# Allegro board P2597_B04_Allegro_layout.brd (continued)
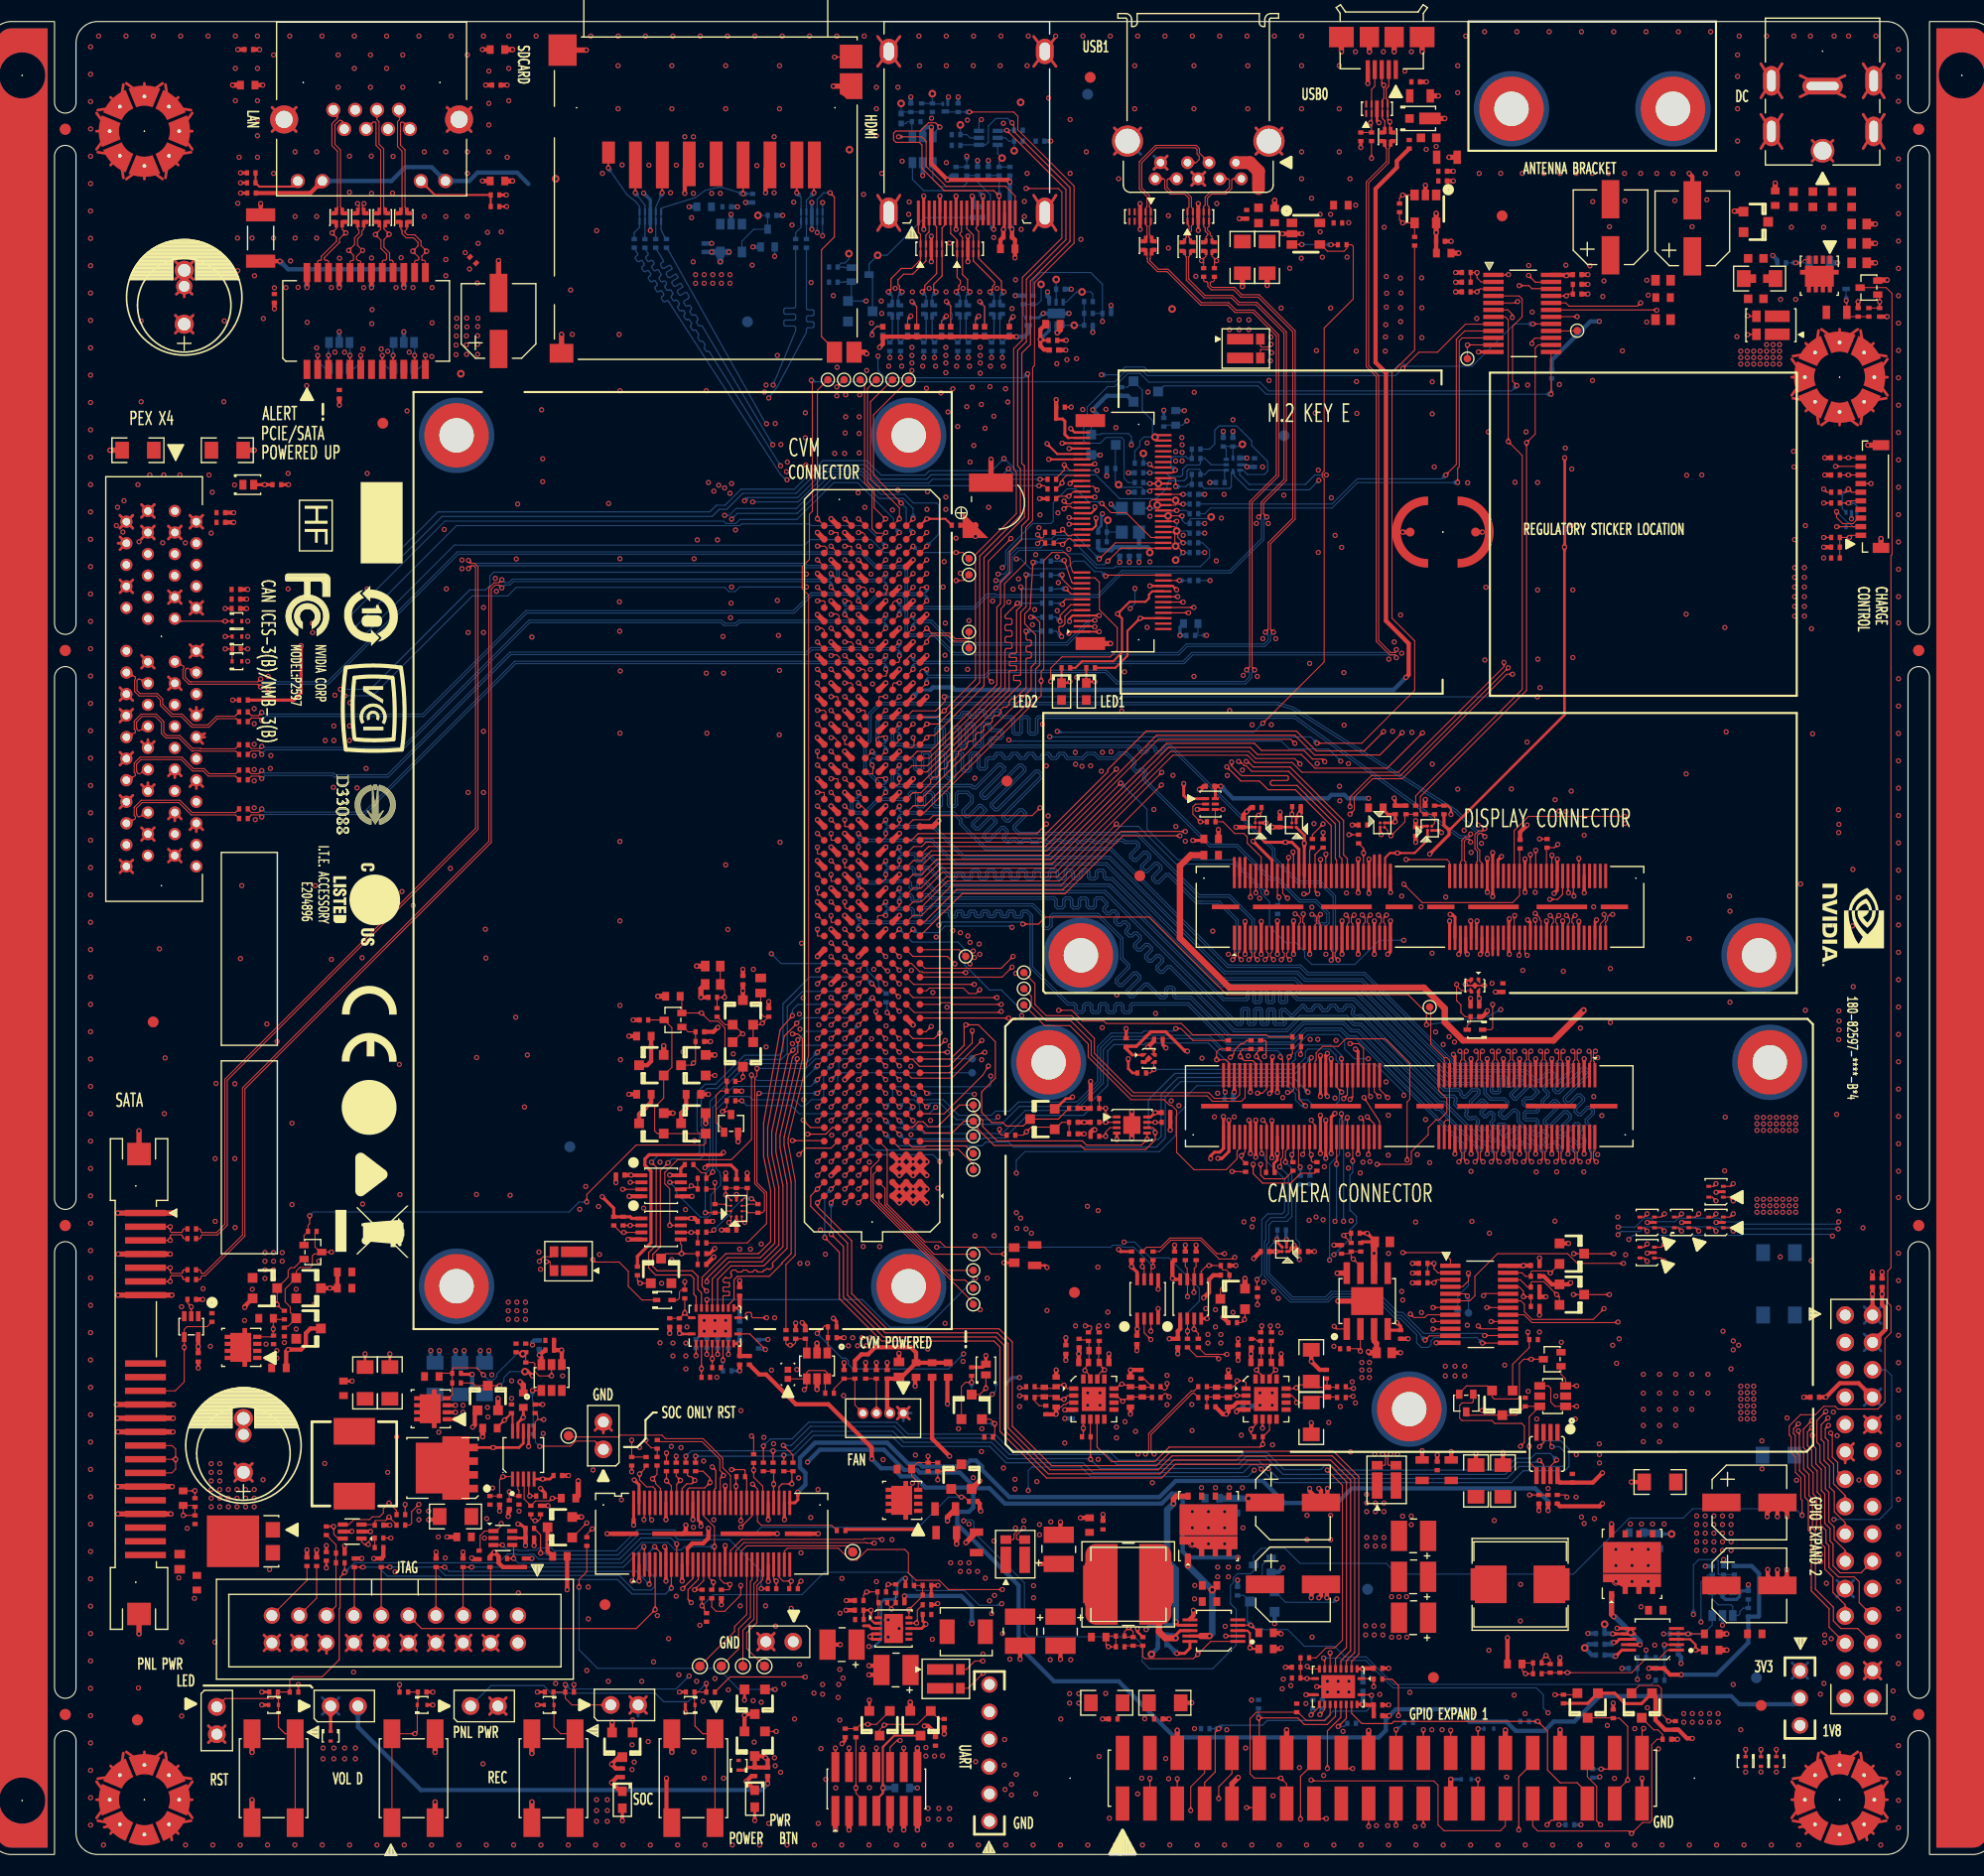
[diagram p0: board, top side]
## Routing (per net, layer and track width the routed paths; a pad name or vN(x,y) marks a point on that pad's centre or on a via; arc(x,y) is an arc through that point) (continued)
  BOTTOM w0.1: v2(49.7,44.83) 48.3,44.83 47.75,44.28 47.75,43.92 v1(47.35,43.52)
VDD_M2_IN_N: length 127.7
  TOP w0.101: R139.2 96.1,43.28 95.7,43.28 v1(95.65,43.33) ; v1(119.07,139.43) 118.77,139.73 118.1,139.73 118.02,139.65 R193.3
  L3 w0.101: v1(95.65,43.33) 95.65,43.28 95.85,43.08 95.98,43.08 96.17,43.27 96.17,55.86 94.64,57.39 94.64,65.62 95.2,66.17 95.2,69.85 94.65,70.4 94.65,76.83 95.2,77.38 95.2,77.87 94.89,78.18 94.89,81.01 94.15,81.75 94.15,100.75 96.05,102.65 96.05,104.56 95.27,105.34 95.27,115.3 96.81,116.84 96.81,118.83 95.96,119.67 95.96,120.3 95.96,120.3 95.96,120.4 95.63,120.74 94.43,120.74 93.49,121.68 93.49,132.58 99.03,138.12 99.03,138.33 v1(99.11,138.42)
  L4 w0.101: v1(99.11,138.42) 99.2,138.51 99.55,138.51 99.72,138.33 99.72,138.11 99.94,137.89 116.47,137.89 118.36,139.78 118.72,139.78 v1(119.07,139.43)
VDD_M2_IN_P: length 127.8
  TOP w0.101: R140.2 96.1,42.58 v1(95.65,42.58) ; v1(119.02,140.22) 118.75,139.96 118.14,139.96 118.02,140.08 R193.2
  L3 w0.101: v1(95.65,42.58) 95.75,42.68 95.93,42.68 96.42,43.16 96.42,55.97 94.9,57.49 94.9,65.51 95.45,66.07 95.45,69.96 94.9,70.5 94.9,76.72 95.45,77.27 95.45,77.97 95.15,78.28 95.15,81.12 94.41,81.86 94.41,100.65 96.31,102.55 96.31,104.67 95.53,105.44 95.53,115.2 97.06,116.73 97.06,118.94 96.22,119.78 96.22,120.51 95.73,120.99 94.54,120.99 93.75,121.78 93.75,132.48 v1(100.05,138.78)
  L4 w0.101: v1(100.05,138.78) 99.98,138.71 99.98,138.22 100.06,138.14 116.36,138.14 118.25,140.03 118.83,140.03 v1(119.02,140.22)
VDD_M2_IO_FILT_N: length 4.1
  TOP w0.101: R139.1 97.05,43.33 97.1,43.28 97.85,43.28 C78.2 98.05,43.28 98.9,43.28 C83.1 99.2,43.58 v1(99.78,43.58) 100.11,43.25 U10.1
VDD_M2_IO_FILT_P: length 5.6
  TOP w0.101: R141.1 97.48,41.66 97.05,42.1 R140.1 97.2,42.58 97.85,42.58 C78.1 98.12,42.48 98.22,42.58 98.9,42.58 C84.1 99.22,42.25 v1(99.78,42.25) 100.13,42.6 100.68,42.6
VDD_MOD: length 28.1
  TOP w0.3: v1(92.52,46.32) CR5.2 92.22,45.23 R306.1
  TOP w0.5: v1(85.76,61.78) J13.A2 v1(87.03,61.78) J13.A1 ; v1(85.76,61.78) 85.12,61.14 ; v1(85.76,61.78) 85.12,62.41 v1(84.49,61.78) ; v1(85.76,61.78) J13.A1 ; 85.12,61.14 v1(84.49,61.78) ; 85.12,61.14 v1(84.49,60.51) J13.C1 v1(84.49,61.78) ; 85.12,61.14 v1(85.76,60.51) J13.A1 ; v1(84.49,61.78) J13.C2 ; J13.A1 v1(87.03,60.51)
  L3 w0.3: v1(92.52,46.32) 92.52,50.83 92.15,51.21 91.65,51.21 91.4,51.46 91.4,52.55 92.07,53.22 92.07,54.17 91.51,54.73 v1(91.51,57.43)
VDD_MUX: length 177.4
  TOP w0.4: D7.3 v1(69.95,80.18) R98.1 ; v1(67.62,76.8) 67.21,76.38 R77.1
  TOP w0.6: v1(148.05,78.38) 145.25,75.58 136.85,75.58 135.15,77.28 135.15,78.54 133.21,80.48 115.15,80.48 110.55,85.08 110.55,91.78 111.55,92.78 R184.1
  L3 w0.4: v1(69.95,80.18) 69.95,79.12 v1(67.62,76.8) 68.05,76.37 68.05,73.88 66.75,72.58 66.75,71.58 73.65,64.68 73.65,53.1 71.05,50.5 71.05,41.58 75.95,36.68 v1(75.95,36.43)
  L4 w0.6: v1(148.05,78.38) v1(168.65,78.38)
  BOTTOM w0.4: R506.2 157.1,18.33 v1(157.1,17.73) ; R522.2 v1(115.9,25.48) ; v1(75.95,36.43) 77.1,37.58 83.05,37.58 84.92,35.7 86.12,35.7 86.37,35.46 90.11,35.46 91.57,34 92.86,34 94.28,32.58 108.85,32.58 109.77,33.51 110.29,33.51 110.8,33 110.8,28.12 111.35,27.58 v1(115.95,27.58)
  vias: v1(111.7,28.84) v1(113.2,28.84) v1(114.05,26.68) v1(114.05,25.78) v1(114.7,28.84) v1(115.05,26.68) v1(115.05,25.78) v1(115.95,26.68) v1(151.05,25.34) v1(152.55,25.34) v1(154.05,25.34) v1(158.55,31.43) v1(158.55,30.63) v1(158.55,29.83) v1(158.55,29.03) v1(158.55,28.23) v1(159.35,31.43) v1(159.35,30.63) v1(159.35,29.83) v1(159.35,29.03) v1(159.35,28.23) v1(160.15,31.43) v1(160.15,30.63) v1(160.15,29.83) v1(160.15,29.03) v1(160.15,28.23) v1(160.95,31.43) v1(160.95,30.63) v1(160.95,29.83) v1(160.95,29.03) v1(160.95,28.23) v1(161.75,31.43) v1(161.75,30.63) v1(161.75,29.83) v1(161.75,29.03) v1(161.75,28.23) v1(162.65,139.58) v1(162.65,138.98) v1(162.65,138.38) v1(163.25,139.58) v1(163.25,138.98) v1(163.25,138.38) v1(163.85,139.58) v1(163.85,138.98) v1(163.85,138.38) v1(164.15,68.43) v1(164.15,67.83) v1(164.15,67.23) v1(164.15,60.83) v1(164.15,60.23) v1(164.15,59.63) v1(164.45,139.58) v1(164.45,138.98) v1(164.45,138.38) v1(164.75,68.43) v1(164.75,67.83) v1(164.75,67.23) v1(164.75,60.83) v1(164.75,60.23) v1(164.75,59.63) v1(165.05,140.18) v1(165.05,139.58) v1(165.05,138.98) v1(165.05,138.38) v1(165.35,68.43) v1(165.35,67.83) v1(165.35,67.23) v1(165.35,60.83) v1(165.35,60.23) v1(165.35,59.63) v1(165.65,140.18) v1(165.65,139.58) v1(165.65,138.98) v1(165.65,138.38) v1(165.95,68.43) v1(165.95,67.83) v1(165.95,67.23) v1(165.95,60.83) v1(165.95,60.23) v1(165.95,59.63) v1(166.25,140.18) v1(166.25,139.58) v1(166.25,138.98) v1(166.25,138.38) v1(166.55,68.43) v1(166.55,67.83) v1(166.55,67.23) v1(166.55,60.83) v1(166.55,60.23) v1(166.55,59.63) v1(167.15,68.43) v1(167.15,67.83) v1(167.15,67.23) v1(167.15,60.83) v1(167.15,60.23) v1(167.15,59.63) v1(167.75,68.43) v1(167.75,67.83) v1(167.75,67.23) v1(167.75,60.83) v1(167.75,60.23) v1(167.75,59.63)
VDD_MUX_CAP: length 4.3
  TOP w0.1: R90.1 68.29,77.04 D7.1 69.09,77.04 v1(69.95,76.18) 69.75,76.18 Q14.2
VDD_MUX_CAP_R: length 4.8
  TOP w0.1: C52.1 C53.1 67.85,80.68 68.25,80.28 v1(68.25,79.58) R88.1 R90.2
VDD_MUX_FILTER_M: length 5.4
  TOP w0.101: R214.1 125.1,42.48 C132.2 123.28,42.48 C130.1 v1(121.38,41.95) 121.38,42.17 120.94,42.6 120.42,42.6
VDD_MUX_FILTER_P: length 6.1
  TOP w0.101: C132.1 124.21,43.42 124.21,44.14 R211.1 ; C132.1 125.1,43.38 R213.1 ; C132.1 123.28,43.38 C129.2 122.44,43.6 121.63,43.6 v1(121.35,43.33) 121.28,43.25 U18.12
VDD_MUX_N: length 144.5
  TOP w0.101: R265.2 163.31,141.14 v1(163.28,141.11) ; v1(126.64,42.54) 126.06,42.54 R214.2
  L3 w0.101: v1(163.28,141.11) 163.84,141.67 165.49,141.67 166.8,140.36 166.8,138.2 166.78,138.18 166.55,137.95 166.55,135.23 166.6,135.18 169.05,132.73 169.05,120.75 170.15,119.65 170.15,100.2 169.05,99.1 169.05,56.73 168.27,55.95 168.27,50.62 167.35,49.71 163.47,49.71 163.47,49.71 163.16,49.71 161.7,48.25 161.7,48.07 161.55,47.92 161.55,47.55 161.56,47.54 161.56,47.52 161.95,47.13 v1(161.95,46.85)
  L4 w0.101: v1(126.64,42.54) 126.83,42.73 129.07,42.73 132.53,46.19 142.36,46.19 142.67,46.5 144.32,46.5 144.64,46.19 152.5,46.19 153.16,46.85 v1(161.95,46.85)
VDD_MUX_P: length 144.5
  TOP w0.101: v1(163.28,142.86) 163.31,142.82 R265.3 ; v1(126.67,43.27) 126.11,43.27 R213.2
  L3 w0.101: v1(163.28,142.86) 163.28,142.56 163.91,141.92 165.59,141.92 167.05,140.47 167.05,138.09 166.89,137.93 166.89,137.93 166.8,137.84 166.8,135.34 166.85,135.28 166.89,135.25 166.89,135.25 169.3,132.83 169.3,120.86 170.41,119.75 170.41,100.1 169.3,98.99 169.3,56.62 168.52,55.84 168.52,50.52 167.45,49.45 163.36,49.45 163.36,49.45 163.26,49.45 161.98,48.17 161.98,47.71 v1(161.95,47.68)
  L4 w0.101: v1(126.67,43.27) 126.96,42.98 128.97,42.98 132.43,46.44 142.25,46.44 142.57,46.75 144.43,46.75 144.74,46.44 152.4,46.44 153.06,47.1 161.37,47.1 v1(161.95,47.68)
VDD_OSC: length 7.4
  BOTTOM w0.4: R545.2 102.95,121.28 103.13,121.1 104.17,121.1 104.45,121.38 R542.1 R541.1 C514.1 ; v2(107.75,120.88) 107.75,121.18 107.55,121.38 C514.1 ; Y501.4 C514.1
VDD_SYS_BL: length 5.8
  TOP w0.28: J23.4 116.1,92.49 ; J23.2 115.6,92.49 ; J23.6 116.6,92.5
  TOP w0.4: 114.12,94.28 v1(114.12,95.16)
VDD_SYS_EN: length 46.2
  TOP w0.1: v1(114.75,70.78) 114.6,70.93 J22.119 ; U28.7 135.65,50.78 v1(134.05,50.78)
  L3 w0.1: v1(114.75,70.78) 116.18,69.34 116.18,65.81 115.58,65.2 115.58,64.55 115.85,64.28 115.85,60.04 115.73,59.92 115.73,55.92 116.15,55.51 116.15,54.47 115.49,53.81 v1(115.49,50.33)
  L4 w0.1: v1(134.05,50.78) 131.03,50.78 129.13,52.67 117.82,52.67 v1(115.49,50.33)
  BOTTOM w0.1: v1(114.75,70.78) 114.7,70.73 R523.1
VDD_TS_1V8: length 4.8
  TOP w0.25: U20.A1 122.1,94.62
  TOP w0.28: J23.28 122.1,93.88 v1(122.1,93.88) 122.1,94.62
VDD_VBUS: length 99.4
  TOP w0.4: R229.2 130.7,157.23 130.7,156.63 128.72,154.65 128.72,138.54 129.69,137.57 129.69,114.54 131.8,112.43 131.8,109.53 v1(131.55,109.28) ; 85.12,106.86 v1(85.76,107.5)
  BOTTOM w0.3: 87.38,108.13 86.39,108.13 v1(85.76,107.5)
  BOTTOM w0.4: v1(131.55,109.28) 130.4,108.13 89.65,108.13 89.42,108.36 87.61,108.36 87.38,108.13
VDD_VBUS_CONN:
  vias: v1(134.35,158.58)
VDD_VBUS_CONN_L:
  vias: v1(131.45,165.58)
VIN_PWR_BAD_C: length 4.6
  TOP w0.1: v1(172.45,144.28) 172.5,144.23 C176.2 172.5,142.93 172.65,142.78 R272.1 R273.1
  BOTTOM w0.1: D31.1 172.43,144.3 v1(172.45,144.28)
VIN_PWR_BAD_CQ: length 2.3
  TOP w0.1: R273.2 R274.1 v1(175.55,144.15) 175.55,144.66 Q31.1
VIN_PWR_BAD_L: length 287.4
  TOP w0.1: 85.12,70.03 v1(85.76,69.4) ; Q31.3 176.15,145.48 176.7,144.93 176.7,120.68 176.6,120.58 176.6,110.17 176.6,110.06 176.6,54.48 176.3,54.17 176.3,51.25 176.6,50.94 176.6,48.45 176.04,47.89 176.04,42.03 175.37,41.35 171.67,41.35 171.42,41.6 170.35,41.6 169.57,40.83 168.2,40.83 167.15,39.78 167.15,38.98 167.17,38.96 167.17,38.92 167.33,38.77 167.33,37.31 167.73,36.92 167.73,35.48 168.23,34.97 168.23,33 168.35,32.88 v1(168.35,31.48) ; R95.1 v1(69.85,69.98)
  L3 w0.1: v1(85.76,69.4) 86.17,68.99 87.71,68.99 88.88,67.82 88.88,64.8 89.42,64.25 89.42,59.67 88.88,59.13 88.88,50.44 89.78,49.53 89.78,48.24 89.42,47.88 89.42,43.09 89.95,42.56 89.95,40.23 89.57,39.85 89.57,39.05 90.1,38.53 90.1,34.21 90.64,33.67 90.64,33.02 90.45,32.83 v1(90.45,30.98)
  BOTTOM w0.1: v1(168.35,31.48) 167.74,32.09 158.18,32.09 157.32,31.23 152.3,31.23 147.1,26.03 130.7,26.03 129.7,27.03 121.7,27.03 120.3,28.43 118.11,28.43 117.38,27.7 117.38,26.32 117.12,26.06 115.88,26.06 115.5,25.68 115.5,25.23 115.25,24.98 115.25,23.28 115.77,22.76 115.77,19.44 113.58,17.24 107.71,17.24 107.04,17.91 107.04,19.5 106.33,20.2 96.45,20.2 96.1,20.55 96.1,25.23 91.4,29.92 91.4,30.87 91.2,31.07 90.79,31.07 90.7,30.98 v1(90.45,30.98) ; v1(69.85,69.98) 70.3,69.53 74.44,69.53 75.19,68.78 85.14,68.78 v1(85.76,69.4)
VIN_PWR_BAD_R_L: length 2.2
  TOP w0.1: R95.2 68.45,69.39 v1(68.05,68.98) 68.8,68.98 68.85,68.93 Q13.3
ACOK: length 157
  TOP w0.1: v1(151.85,96.38) 142.92,96.38 141.6,95.05 J23.86 ; J13.A49 v1(87.03,122.74) ; J27.1 172.95,122.48 v1(172.75,122.28) R270.1 R271.2 R313.1
  L3 w0.1: v1(172.75,122.28) 173.13,121.9 173.13,98.41 v1(171.73,97)
  L4 w0.1: v1(151.85,96.38) 171.1,96.38 v1(171.73,97) ; v1(87.03,122.74) 88.09,122.74 92.63,127.28 95.85,127.28 97.05,128.48 102.25,128.48 103.15,127.58 104.35,127.58 104.55,127.78 107.85,127.78 109.03,126.61 110.44,126.61 110.62,126.78 137.25,126.78 141.15,122.88 172.15,122.88 v1(172.75,122.28)
AO_DMIC_IN_CLK: length 115
  TOP w0.111: J22.71 126.6,70.36 v1(126.35,70.11) ; v1(62.99,64.22) 62.28,63.5 62.28,56.42 61.58,55.72 61.58,54.6 61.99,54.19 65.26,54.19 65.77,53.68 65.77,52.46 66.1,52.13 U7.8 ; J13.E16 v1(80.68,79.56)
  L3 w0.12: v1(126.35,70.11) 126.35,69.48 126.95,68.88 126.95,67.88 126.65,67.58 126.65,64.91 127.28,64.28 v1(127.55,64.28)
  L4 w0.12: v1(127.55,64.28) 126.34,63.07 117.2,63.07 116.2,64.08 115.48,64.08 114.59,63.18 114.2,63.18 100.46,63.18 97.57,66.06 97.57,66.4 96.44,67.53 96.1,67.53 90.09,73.54 90.09,75.74 86.98,78.86 83.73,78.86 83.64,78.95 81.29,78.95 v1(80.68,79.56)
  BOTTOM w0.111: v1(80.68,79.56) 80.11,80.13 75.49,80.13 74.07,78.72 74.07,74.38 73.51,73.81 70.25,73.81 67.56,71.12 66.62,71.12 66.08,70.57 66.08,67.66 66.33,67.4 66.33,64.93 65.99,64.59 63.36,64.59 v1(62.99,64.22)
AO_DMIC_IN_CLK_LVL: length 130.7
  TOP w0.111: v1(142.03,2.28) 142.03,7.21 143.32,8.5 J21.32 ; U7.13 v1(66.1,45.11) R340.1
  L3 w0.12: v1(142.03,2.28) 141.78,2.03 133.95,2.03 133.55,1.63 127.8,1.63 127.22,2.21 123.48,2.21 121.95,3.73 121.15,3.73 119.05,1.63 87.04,1.63 86.95,1.73 71.17,1.73 69.27,3.63 69.27,15.52 68.69,16.1 68.69,21.5 69.27,22.08 69.27,23.38 70.17,24.27 70.17,25.59 70.55,25.97 70.55,33.38 70.43,33.5 70.43,34.61 69.62,35.42 69.62,36.03 68.69,36.96 68.69,39.09 67.17,40.61 67.17,43.45 66.77,43.85 66.77,44.43 v1(66.1,45.11)
AO_DMIC_IN_DAT: length 115.4
  TOP w0.111: v1(125.75,70.18) 126.1,70.53 J22.73 ; U7.9 65.6,51.8 65.38,52.02 65.38,53.51 65.09,53.8 61.84,53.8 61.19,54.44 61.19,55.88 61.89,56.58 61.89,63.84 v1(61.45,64.28) ; J13.D16 v1(81.92,80.85)
  L3 w0.12: v1(125.75,70.18) 125.75,69.48 126.55,68.68 126.55,67.98 126.15,67.58 v1(126.15,64.98)
  L4 w0.12: v1(126.15,64.98) 126.15,64.48 125.06,63.39 117.34,63.39 116.33,64.4 115.62,64.4 115.62,64.4 115.35,64.4 114.45,63.5 114.06,63.5 114.06,63.5 100.59,63.5 98.03,66.06 98.03,66.52 96.69,67.87 96.22,67.87 90.41,73.68 90.41,75.92 87.14,79.19 84.12,79.19 84.03,79.28 83.49,79.28 v1(81.92,80.85)
  BOTTOM w0.111: v1(81.92,80.85) 81.31,81.47 76.17,81.47 73.68,78.98 73.68,74.6 73.28,74.2 70.09,74.2 67.39,71.51 66.45,71.51 65.69,70.75 65.69,67.18 65.93,66.94 65.93,65.23 65.68,64.98 62.15,64.98 v1(61.45,64.28)
AO_DMIC_IN_DAT_LVL: length 109
  TOP w0.111: J21.16 123,8.5 121.75,7.25 v1(121.75,3.28) ; U7.12 v1(65.6,46.3)
  L3 w0.12: v1(65.6,46.3) 65.6,44.93 66.42,44.1 66.42,43.7 66.8,43.33 66.8,40.53 68.37,38.96 68.37,36.82 69.3,35.9 69.3,35.26 70.1,34.46 70.1,33.33 70.22,33.2 70.22,26.21 69.22,25.2 69.22,23.82 68.92,23.53 68.92,22.26 68.32,21.65 68.32,15.96 68.11,15.75 68.11,15.03 68.92,14.21 68.92,3.46 71,1.38 86.84,1.38 86.91,1.31 119.23,1.31 121.2,3.28 v1(121.75,3.28)
  BOTTOM w0.111: R341.1 v1(65.6,46.3)
AP2MDM_READY: length 182.6
  TOP w0.1: J13.A9 v1(87.03,70.67)
  TOP w0.111: v1(153.95,55.08) 153.65,55.38 D23.5
  L3 w0.1: v1(92.11,37.41) 91.73,37.79 91.73,44.56 92.12,44.95 92.12,49.89 90.78,51.23 90.78,57.91 91.41,58.53 91.41,70.54 v1(91.45,70.58)
  L4 w0.1: v1(153.95,55.08) 154.85,55.08 155.28,54.66 156.88,54.66 164.67,46.85 164.67,38.91 167.03,36.55 169.47,36.55 170.5,35.53 170.5,34.01 171.3,33.2 v1(171.3,31.1) 170.3,31.1 167.28,34.12 152.62,34.12 149.17,30.67 148.83,30.67 148.46,31.04 148.46,31.58 148.21,31.83 147.65,31.83 146.86,31.04 140.49,31.04 140.07,31.45 139.59,31.45 139.18,31.04 133.29,31.04 132.46,30.21 131.71,30.21 130.86,31.06 117.61,31.06 115.95,32.72 111.14,32.72 109.56,31.14 103.27,31.14 98.43,35.99 96.63,35.99 95.21,37.41 v1(92.11,37.41)
  BOTTOM w0.1: v1(171.3,31.1) 175.53,31.1 176.67,32.26 176.67,44.45 176.13,45 J26.6 ; v1(91.45,70.58) 91.36,70.67 v1(87.03,70.67)
AP_WAKE_BT: length 64.4
  TOP w0.111: v1(89.65,82.68) 88.95,83.38 85.75,83.38 85.12,84 ; U7.7 v1(66.6,51.52)
  L3 w0.12: v1(91.55,53.5) 91.55,54.03 91.09,54.49 91.09,57.75 91.89,58.55 91.89,70.78 91.16,71.5 91.16,72.78 89.65,74.29 v1(89.65,82.68)
  BOTTOM w0.111: v1(91.55,53.5) 87,48.95 83.6,48.95 81.04,51.52 v1(66.6,51.52)
AP_WAKE_BT_3V3: length 128.3
  TOP w0.111: U7.14 v1(66.6,46.43) ; J21.33 145.86,3.75 145.3,3.19 145.08,3.19 v1(144.65,2.75)
  L3 w0.12: v1(144.65,2.75) 141.4,2.75 141,2.35 133.75,2.35 133.5,2.1 127.85,2.1 127.38,2.58 123.68,2.58 122.18,4.08 121,4.08 118.88,1.96 87.17,1.96 86.4,2.73 78.27,2.73 77.72,2.18 71.22,2.18 69.62,3.78 69.62,15.66 69.08,16.21 69.08,21.42 70.22,22.57 70.22,23.78 70.51,24.06 70.51,25.43 70.9,25.82 70.9,32.66 71.27,33.02 71.27,34.61 71,34.88 70.61,34.88 69.94,35.56 69.94,36.16 69.01,37.09 69.01,39.22 67.52,40.71 67.52,43.63 67.11,44.05 67.11,44.8 66.6,45.3 v1(66.6,46.43)
  BOTTOM w0.111: R339.1 v1(66.6,46.43)
AP_WAKE_MDM_1V8: length 85.1
  TOP w0.1: J13.A8 v1(87.03,69.4)
  L3 w0.1: v1(93.65,68.48) 93.65,69.54 93.21,69.98 93.21,71.3 92.5,72.01 92.5,72.38 93.32,73.2 93.32,79.05 93.15,79.23 93.15,101.38 95.05,103.28 95.05,103.77 94.04,104.78 94.04,115.11 93.6,115.54 93.6,117.43 v1(93.45,117.58)
  BOTTOM w0.1: v1(93.65,68.48) 93.39,68.23 89.81,68.23 88.26,69.77 87.4,69.77 v1(87.03,69.4) ; v1(93.45,117.58) 94.96,119.09 94.96,120.44 95.6,121.08 99.6,121.08 99.93,120.75 101.46,120.75 102.78,119.44 104.43,119.44 104.56,119.57 112.44,119.57 113.3,120.43 113.3,121.13 112.65,121.78 R530.2
AP_WAKE_MDM_1V8_R: length 4.3
  TOP w0.1: J18.40 110.05,123.28 110.35,122.98 110.35,122.28 v1(110.85,121.78)
  BOTTOM w0.1: v2(110.15,121.48) 110.45,121.78 v1(110.85,121.78) R530.1
AUD_RST: length 107.6
  TOP w0.1: v1(122.37,17.47) 122.61,17.23 U22.9
  TOP w0.111: J13.F2 v1(79.41,61.78)
  L3 w0.1: v1(79.25,16.38) 79.15,16.38 78.45,17.08 78.45,17.4 78.4,17.45 78.4,22.13 78.38,22.15 78.38,22.64 78.4,22.66 78.4,26.72 80.2,28.52 80.2,29.27 80.2,29.69 80.94,30.43 80.94,34.08 79.19,35.83 79.19,38.21 76.15,41.25 76.15,48.56 76.83,49.24 76.83,50.54 79.58,53.3 79.58,53.82 79.58,53.82 79.58,54.86 79.58,54.86 79.58,55.03 79.58,55.03 79.58,55.55 79.58,55.55 79.58,59.49 80.05,59.96 80.05,61.14 v1(79.41,61.78) ; v1(122.25,14.01) 121.85,14.41 121.85,16.95 v1(122.37,17.47)
  L4 w0.1: v1(79.25,16.38) 79.77,15.86 79.77,14.22 81.02,12.97 84.08,12.97 85.02,12.03 85.65,12.03 86.36,11.32 87.93,11.32 88.5,10.75 89.35,10.75 91.5,12.91 91.5,13.83 92.24,14.56 93.42,14.56 95.8,12.19 109.8,12.19 110.06,12.44 115.93,12.44 116.38,11.99 118.95,11.99 119.35,12.38 121.26,12.38 122.25,13.38 v1(122.25,14.01)
AUD_RST_LVL: length 32.4
  TOP w0.1: v1(122.72,6.91) 122.72,6.88 122.77,6.83 134.12,6.83 134.53,6.43 134.53,2.75 135.07,2.21 140.32,2.21 140.78,2.66 J21.29 ; v1(122.72,12.96) 123.5,13.73 U22.12
  L3 w0.1: v1(122.72,6.91) v1(122.72,12.96)
  BOTTOM w0.1: R333.1 122.72,13.38 v1(122.72,12.96)
AUDIO_CDC_IRQ: length 122.8
  TOP w0.1: U22.7 v1(124.5,18.73) ; 77.5,63.68 v1(76.87,63.05)
  L3 w0.1: v1(77.65,6.98) 77.65,8.89 77.75,8.99 77.75,15.98 77.1,16.63 77.1,26.95 77.1,26.95 77.1,27.21 78.93,29.04 78.93,30.22 79.3,30.59 79.67,30.95 79.67,33.56 77.93,35.3 77.93,37.68 74.09,41.52 74.09,46.1 74.09,46.11 73.95,46.25 73.95,49.53 77.05,52.63 77.05,55.47 76.3,56.22 76.3,62.48 v1(76.87,63.05) ; v1(124.5,18.73) 124.49,18.72 123.24,18.72 122.84,18.32 122.84,13.73 121.65,12.53 v1(121.65,8.07)
  L4 w0.1: v1(121.65,8.07) 120.63,9.08 109.7,9.08 108.91,9.88 98.39,9.88 95.47,6.96 93.85,6.96 93.57,6.68 77.95,6.68 v1(77.65,6.98)
AUDIO_CDC_IRQ_LVL: length 19.9
  TOP w0.1: J21.13 120.46,6.55 v1(119.92,7.09) 117.46,7.09 117.06,7.49 117.06,12.61 117.66,13.21 R331.1 121.52,13.21 122.28,12.45 124.01,12.45 124.5,12.93 U22.14
AUDIO_I2S_MCLK: length 1.9
  TOP w0.111: v1(128.55,15.58) R222.1 128.5,16.33 U22.1
AUDIO_I2S_MCLK_3V3: length 25.4
  TOP w0.111: v1(114.15,11.68) 113.82,11.36 113.82,7.66 112.84,6.67 J21.7 ; U22.20 128.3,14.83 v1(128.35,14.78)
  BOTTOM w0.111: R326.1 v1(114.15,11.68) 114.47,12 118.21,12 118.66,12.44 123.9,12.44 124.76,13.3 127.86,13.3 128.35,13.79 v1(128.35,14.78)
AUDIO_I2S_MCLK_R: length 114.5
  TOP w0.111: J13.F1 v1(79.41,60.51) ; R222.2 130.25,16.28 130.85,15.68 v1(130.85,12.88)
  L3 w0.12: v1(79.41,60.51) 79.41,59.76 79.27,59.62 79.27,55.42 79.27,54.73 79.27,54.73 79.27,53.95 79.27,53.43 76.52,50.67 76.52,49.37 75.84,48.69 75.84,44.18 75.2,43.55 75.2,41.75 78.88,38.08 78.88,35.7 80.62,33.95 80.62,30.56 79.89,29.82 79.89,29.14 79.89,28.65 78.05,26.81 78.05,17.03 78.7,16.38 78.7,15.93 v1(78.85,15.78)
  L4 w0.12: v1(78.85,15.78) 79.35,15.28 79.35,14.16 80.85,12.66 83.95,12.66 84.89,11.71 85.42,11.71 86.13,11.01 87.77,11.01 88.34,10.44 89.51,10.44 91.84,12.78 91.84,13.7 92.38,14.24 93.29,14.24 95.66,11.87 109.93,11.87 110.19,12.13 115.8,12.13 116.25,11.68 119.08,11.68 119.47,12.07 124.87,12.07 125.41,12.62 128.38,12.62 128.61,12.4 130.31,12.4 130.79,12.88 v1(130.85,12.88)
AUDIO_I2S_SFSYNC: length 88.6
  TOP w0.111: U22.3 126.5,17.93 127.16,18.59 127.16,35.08 124.81,37.44 109.71,37.44 108.37,36.1 98.63,36.1 94.97,39.75 94.97,47.58 93.75,48.81 83.32,48.81 80.05,52.08 80.05,56.98 76.87,60.16 v1(76.87,60.51) 77.5,61.14
AUDIO_I2S_SFSYNC_3V3: length 29.9
  TOP w0.111: U22.18 126.5,13.11 127.45,12.16 130.22,12.16 130.43,12.36 v1(143.8,12.36) 144.7,11.46 144.7,7.83 145.88,6.66 147.45,6.66 148.4,5.71 J21.35
  BOTTOM w0.111: R327.1 v1(143.8,12.36)
AUDIO_I2S_SIN: length 87.9
  TOP w0.111: v1(78.14,60.51) 78.14,60.57 78.71,61.14 J13.G1 ; v1(78.15,57.58) 79.29,56.44 79.29,51.76 83,48.05 93.43,48.05 94.21,47.27 94.21,39.44 98.31,35.34 108.69,35.34 109.98,36.63 124.54,36.63 126.4,34.77 126.4,18.91 125.74,18.25 125.74,18.21 125.5,17.97 U22.5
  BOTTOM w0.111: v1(78.14,60.51) 78.14,57.59 v1(78.15,57.58)
AUDIO_I2S_SIN_3V3: length 35.7
  TOP w0.111: J21.38 150.94,8.42 150.45,7.93 v1(149.67,7.93) ; v1(124.25,7.98) 124.25,11.48 125.5,12.73 U22.16
  L4 w0.12: v1(149.67,7.93) 149.4,8.21 127.9,8.21 127.2,7.5 126.27,7.5 125.8,7.98 v1(124.25,7.98)
  BOTTOM w0.111: R329.1 v1(149.67,7.93)
AUDIO_I2S_SOUT: length 90.3
  TOP w0.111: 77.5,62.41 v1(76.87,61.78) 76.25,61.16 76.25,60.18 79.67,56.76 79.67,51.92 83.16,48.43 93.59,48.43 94.59,47.42 94.59,39.6 98.47,35.72 108.53,35.72 109.82,37.01 124.7,37.01 126.78,34.92 126.78,18.75 126.12,18.09 126.12,18.05 126,17.93 U22.4
AUDIO_I2S_SOUT_3V3: length 36.7
  TOP w0.111: J21.40 153.48,11.56 v1(153.62,11.71) ; U22.17 126,12.63 v1(125.25,11.88)
  L4 w0.12: v1(153.62,11.71) 153,11.08 137.95,11.08 137.62,11.41 137.62,12.55 136.93,13.26 132.32,13.26 131.07,12 128.43,12 128.18,12.25 125.62,12.25 v1(125.25,11.88)
  BOTTOM w0.111: v1(125.25,11.88) 125.8,11.88 R328.1
AUDIO_I2S_SRCLK: length 89.5
  TOP w0.111: J13.G2 v1(78.14,61.78) ; U22.6 125,18.2 126.02,19.22 126.02,34.61 124.4,36.23 110.12,36.23 108.85,34.96 98.16,34.96 93.83,39.28 93.83,47.11 93.27,47.67 82.85,47.67 78.91,51.61 78.91,51.92 78.91,51.92 78.91,55.92 v1(77.55,57.28)
  BOTTOM w0.111: v1(78.14,61.78) 77.55,61.19 v1(77.55,57.28)
AUDIO_I2S_SRCLK_3V3: length 13
  TOP w0.111: J21.12 117.92,12.61 v1(117.85,12.68) 121.49,12.68 122.11,12.07 124.24,12.07 125,12.83 U22.15
  BOTTOM w0.111: v1(117.85,12.68) R330.1
BAT_DET_L: length 1.9
  TOP w0.1: J27.8 v1(172.65,128.08) R267.2
BBAT: length 3.5
  TOP w0.2: J13.A50 v1(87.03,124.01) 88.76,124.01 R135.2
BBAT_R: length 2.4
  TOP w0.2: v1(91.55,122.38) C72.1 R135.1
BOARD_ID_A0: length 3.1
  TOP w0.1: U11.1 104.05,68.48 103.65,68.88 v1(103.65,69.28) R156.2 R155.1
BOARD_ID_WP: length 1.4
  TOP w0.1: R172.1 108.25,67.98 v1(108.25,67.98) U11.7
BRD_ID_A1: length 1.6
  TOP w0.1: R157.2 v1(103.65,67.98) 104.67,67.98 U11.2
BRD_ID_A2: length 2.2
  TOP w0.1: R158.2 v1(103.65,66.68) 103.65,67.08 104.05,67.48 U11.3
BRIDGE_EN: length 57.7
  TOP w0.1: v1(139.05,50.78) 141,50.78 U28.18 ; J23.18 119.6,89.03 v1(119.75,88.88)
  L3 w0.1: v1(131.25,51.48) 130.35,52.38 130.35,70.5 130.05,70.8 129.65,70.8 127.35,73.1 127.35,76.77 126.45,77.67 126.45,84 125.97,84.48 121.85,84.48 120.15,86.18 120.15,88.48 v1(119.75,88.88)
  L4 w0.1: v1(139.05,50.78) 136.75,50.78 136.05,51.48 v1(131.25,51.48)
  BOTTOM w0.1: R521.1 119.75,88.25 v1(119.75,88.88)
BRIDGE_IRQ: length 56.7
  TOP w0.1: J23.20 120.1,89.23 v1(120.55,88.78) ; U28.20 141,52.08 138.95,52.08 v1(138.75,51.88)
  L3 w0.1: v1(120.55,88.78) 120.35,88.58 120.35,86.26 121.93,84.68 126.05,84.68 126.65,84.08 126.65,77.75 127.55,76.85 127.55,73.18 129.73,71 130.13,71 130.55,70.58 130.55,52.88 v1(131.15,52.28)
  L4 w0.1: v1(131.15,52.28) 131.45,51.98 136.25,51.98 137.05,51.18 138.05,51.18 v1(138.75,51.88)
BT2_EN: length 69.5
  TOP w0.1: 85.12,86.54 85.76,87.18 86.55,87.18 89.35,89.98 99.51,89.98 v1(108.83,99.3)
  L3 w0.1: v1(105.92,115.68) 105.93,115.68 107.09,115.68 108.15,114.62 108.15,99.98 v1(108.83,99.3) ; v1(106.04,130.87) 107.31,129.6 107.31,119.69 106.36,118.74 106.36,117.56 v1(106.37,117.55)
  BOTTOM w0.1: v1(106.04,130.87) 106.04,131.64 105.75,131.93 103.25,131.93 103.15,131.83 Q504.2 102.31,133.04 R546.2 ; v1(106.37,117.55) 106.37,116.13 v1(105.92,115.68)
BT2_WAKE_AP_L: length 52
  TOP w0.1: v1(108.86,100.47) 99.18,90.78 88.85,90.78 86.55,88.48 85.79,88.48 85.12,87.81
  L3 w0.1: v1(108.86,100.47) 108.47,100.86 108.47,108.24 109.62,109.38 v1(111.85,109.38)
  L4 w0.1: v1(113.35,118.28) 114.05,117.58 114.05,111.58 v1(111.85,109.38)
  BOTTOM w0.1: v1(113.35,118.28) R532.2
BUCK_BST: length 2
  BOTTOM w0.4: v2(107.9,18.58) 108.5,19.18 R536.2 C513.1
BUCK_BST_IO: length 2.5
  BOTTOM w0.4: C504.1 148.49,19.52 v2(148.15,19.18) 148.81,18.52 R515.2
BUCK_FB: length 12.3
  TOP w0.1: R162.2 105.5,19.38 C97.2 R166.1 107.1,18.38 107.3,18.18 111.8,18.18 v1(112.2,18.58) 113.4,19.78 U16.1
BUCK_FB_IO_MID: length 3.8
  TOP w0.1: R243.2 142.42,17.78 R250.1 R251.1 v1(142.65,16.78) 142.32,17.11 R243.2
BUCK_FB_IO_MID_R: length 2.7
  TOP w0.1: v1(144.55,18.48) 144.15,18.08 R250.2 144.25,17.68 C161.1 144.95,18.08 v1(144.55,18.48)
BUCK_FB_MID: length 3.7
  TOP w0.1: R161.1 R162.1 v1(103.9,19.28) 103.67,19.51 R159.2 103.77,20.28 R161.1
BUCK_FB_MID_R: length 2.9
  TOP w0.1: C97.1 105.5,20.18 R161.2 105.4,20.68 v1(105.8,21.08) 106.2,20.68 C97.1
BUCK_HSDR: length 10.2
  TOP w0.28: U16.9 112.5,20.28
  TOP w0.6: Q23.1 v1(111.29,26.83) ; 112.5,20.28 v1(113.3,20.28)
  BOTTOM w0.6: v1(113.3,20.28) 113.55,20.53 v2(113.55,24.57) v1(111.29,26.83)
BUCK_IO_EN: length 8.1
  TOP w0.1: U31.4 v1(157.75,20.48) C170.1
  BOTTOM w0.1: R506.1 R507.2 v1(157.75,20.48) 159.17,20.48 160,21.3 Q501.6
BUCK_IO_FB: length 13.4
  TOP w0.1: U31.1 155.85,18.98 154.97,18.1 153.75,18.1 152.52,16.88 v1(146.55,16.88) R256.1 C161.2 144.25,16.88 R251.2
BUCK_IO_HSDR: length 6.9
  TOP w0.28: v1(153.29,19.48) U31.9
  TOP w0.5: Q29.1 150.64,22.28 v1(150.85,22.08)
  BOTTOM w0.5: v1(153.29,19.48) 153.29,19.74 v2(152.42,20.61) 150.95,22.08 v1(150.85,22.08)
BUCK_IO_LSDR: length 15.7
  TOP w0.28: U31.7 v1(150.75,20.48)
  TOP w0.5: Q29.6 v1(150.64,30.68)
  L3 w0.6: v1(150.75,20.48) 148.85,22.38 148.85,28.88 v1(150.64,30.68)
  BOTTOM w0.4: v2(150,21.38) R514.1 150.71,20.52 v1(150.75,20.48)
